# Altium PCB DRS4-PCB.PcbDoc (part 1 of 15) (continued)
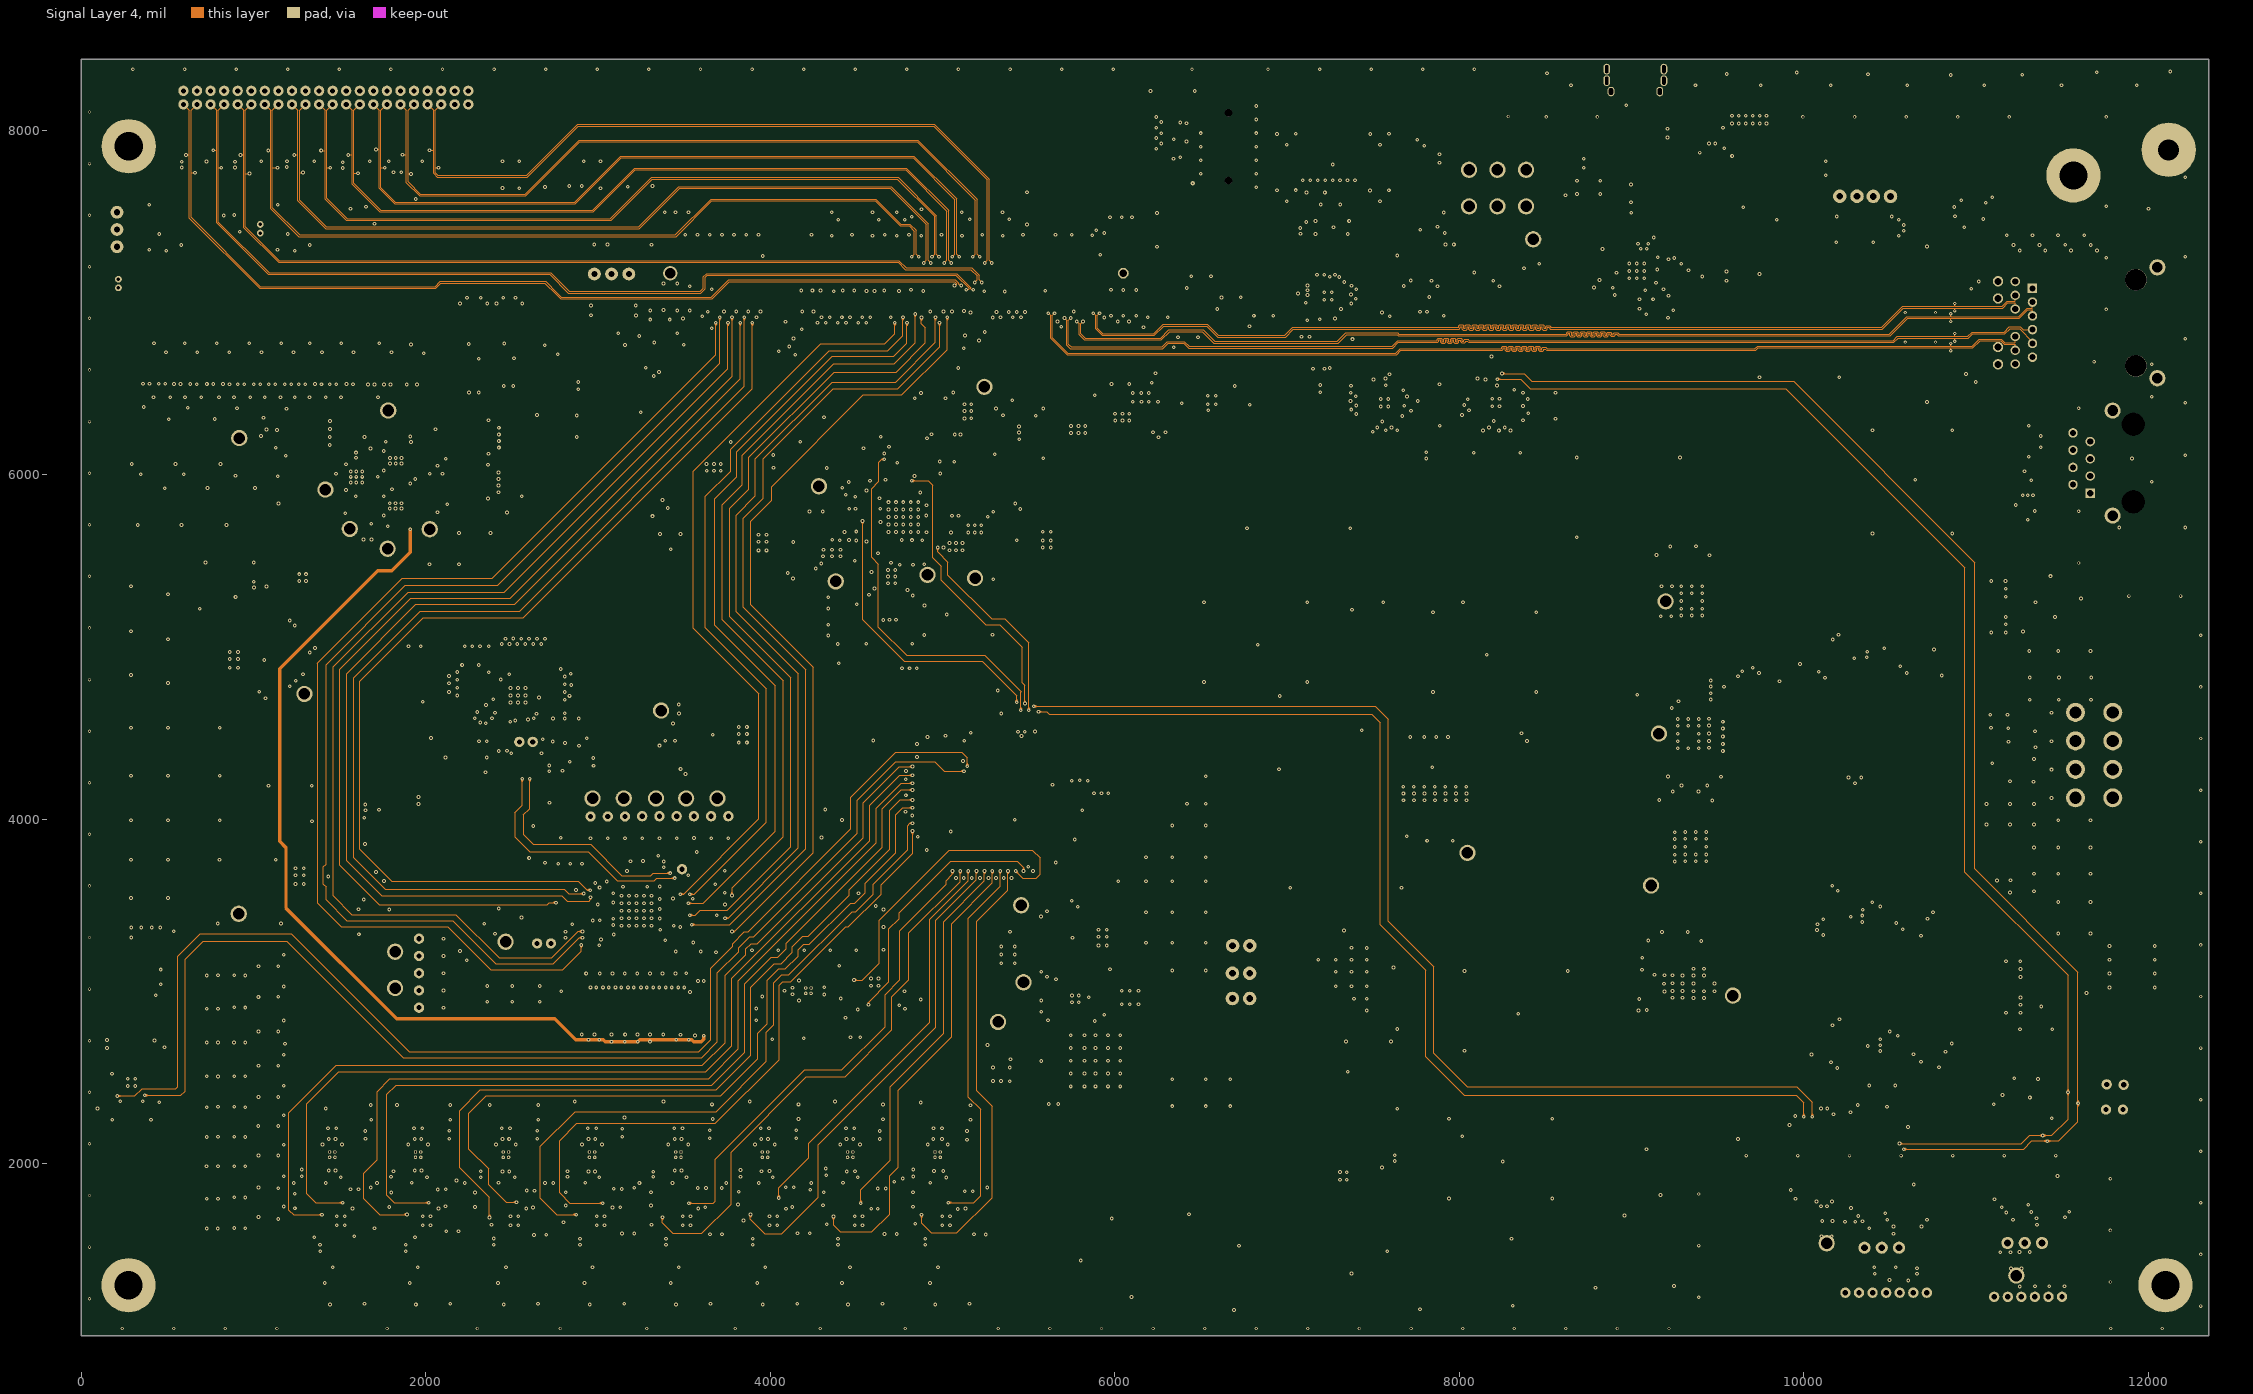
[diagram p4: Signal Layer 4]
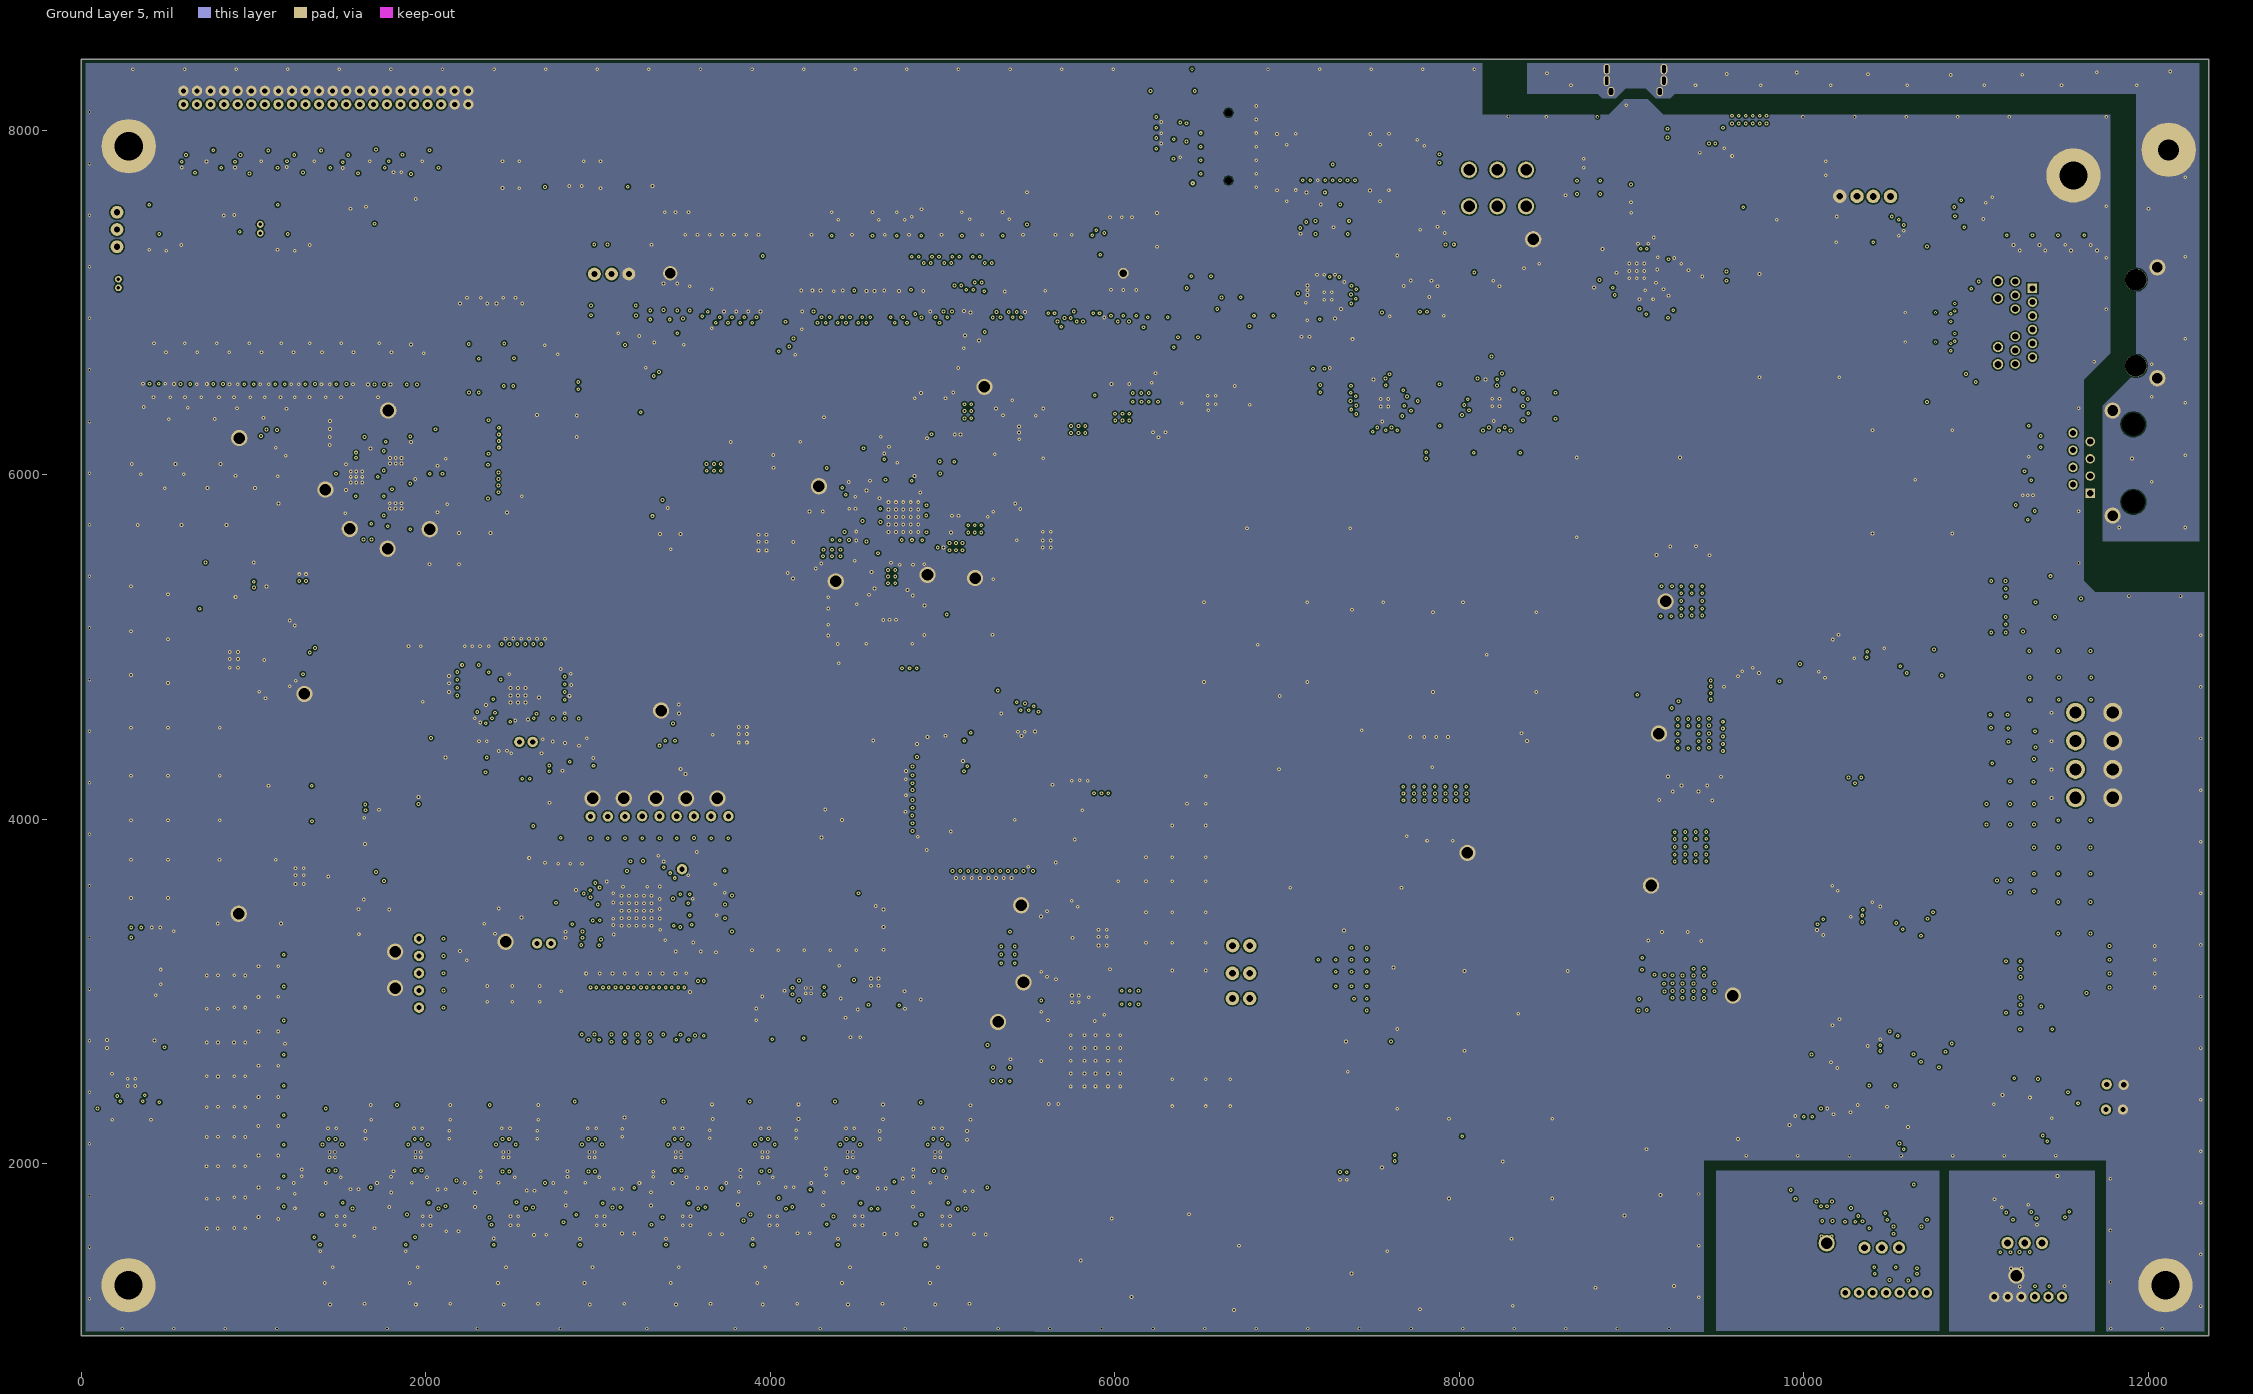
[diagram p5: Ground Layer 5]
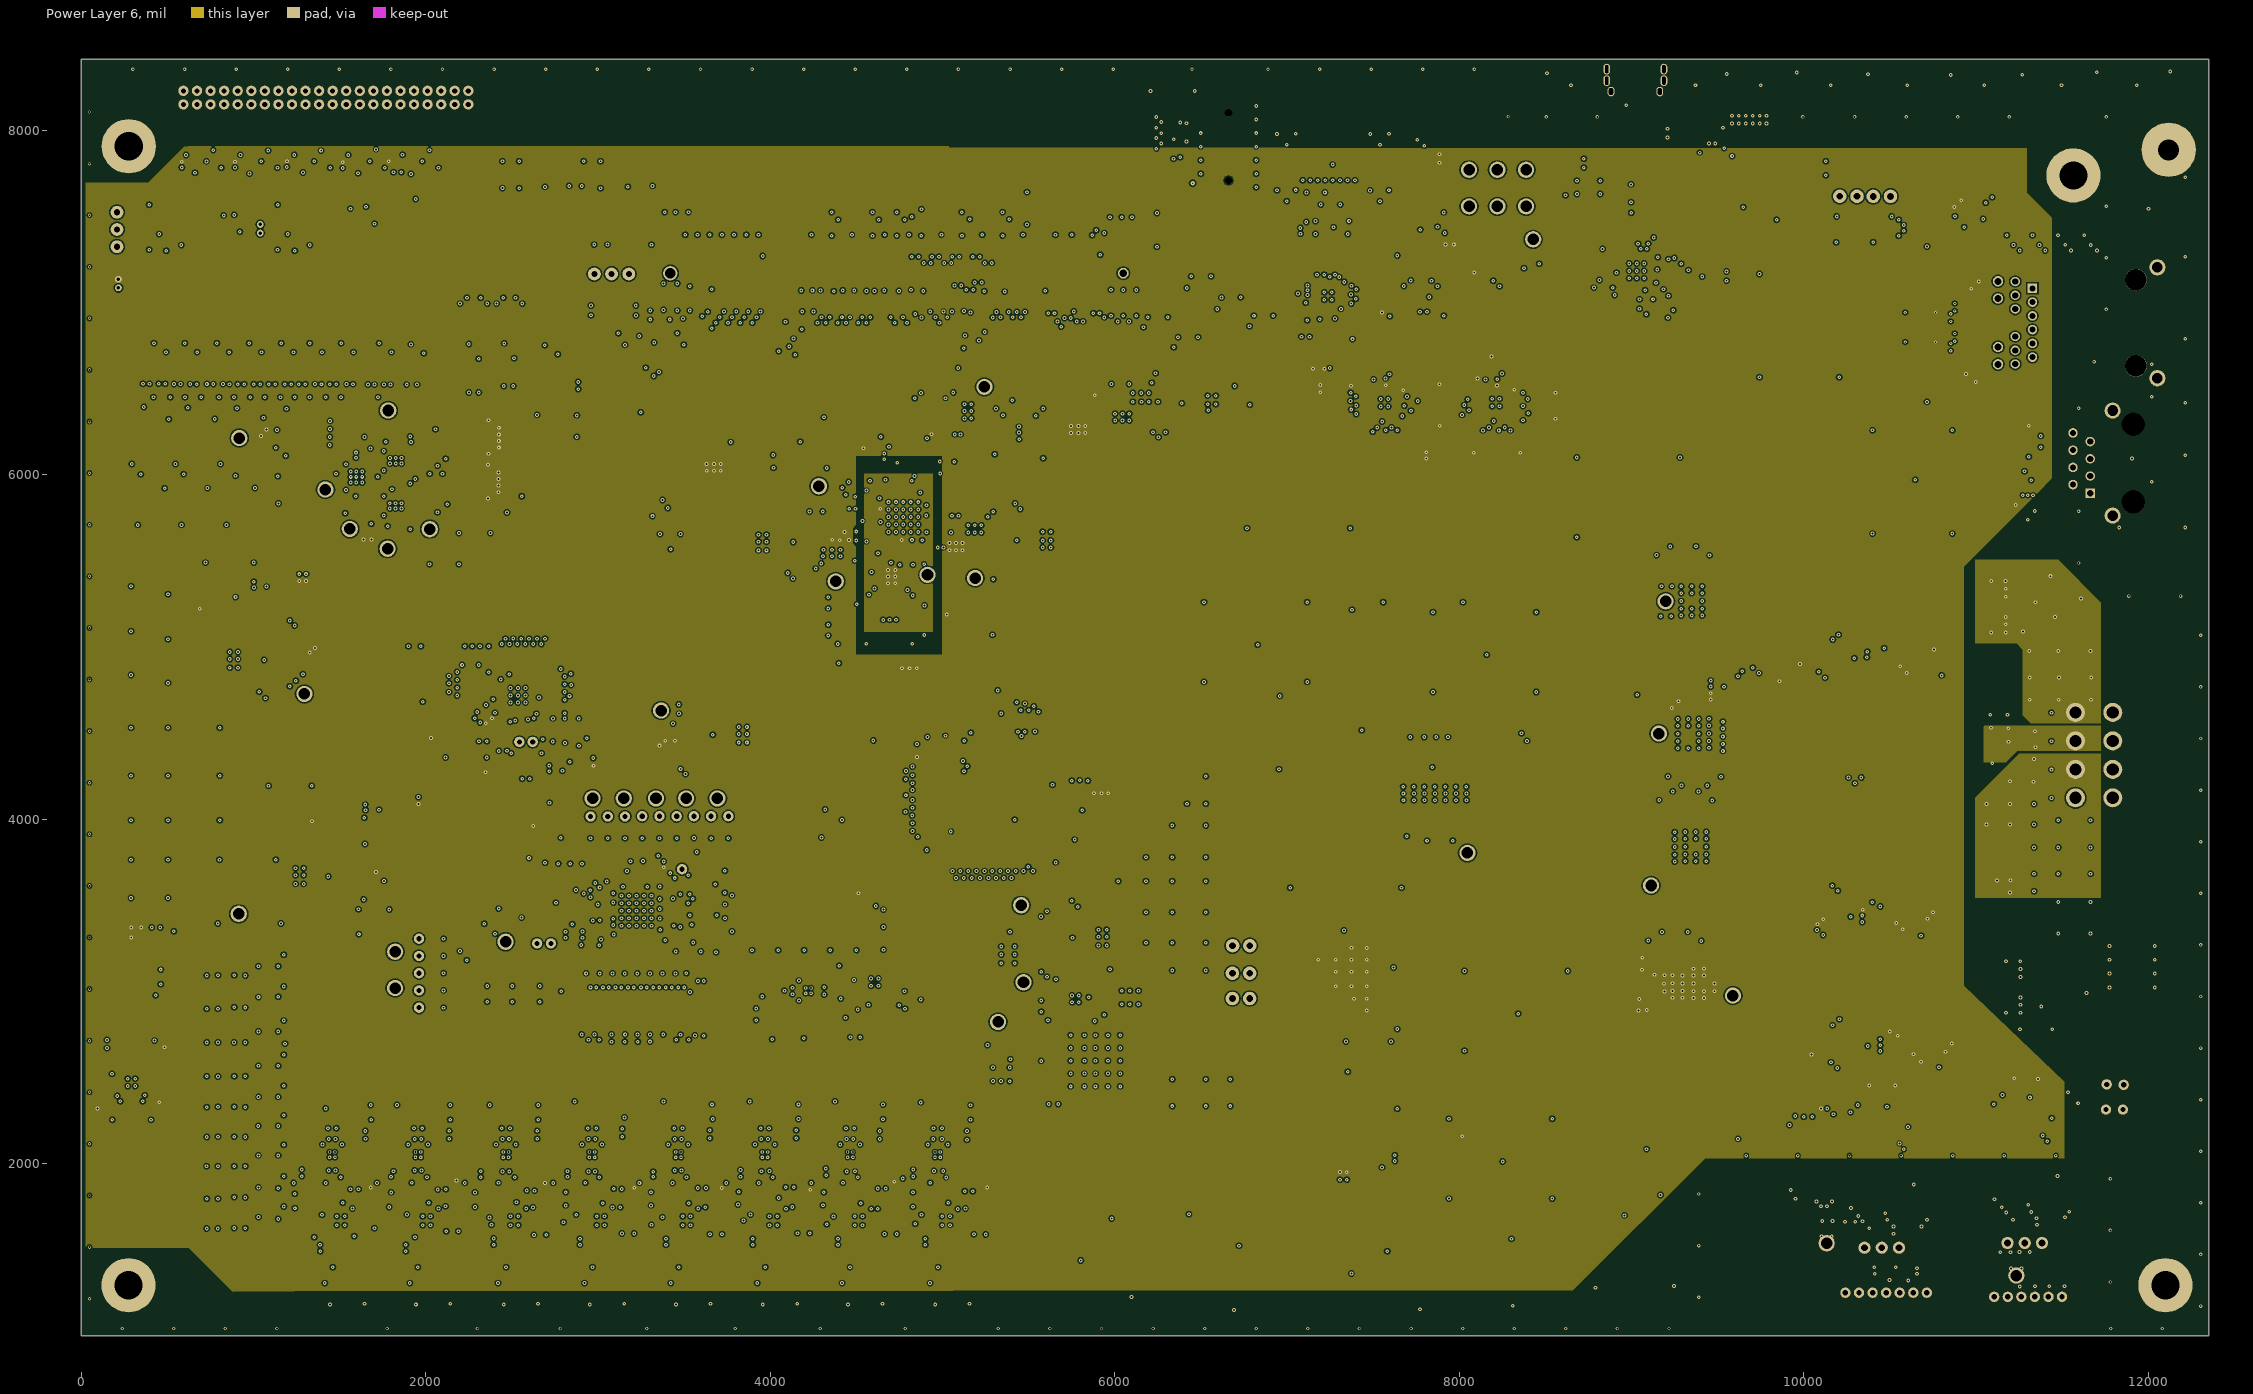
[diagram p6: Power Layer 6]
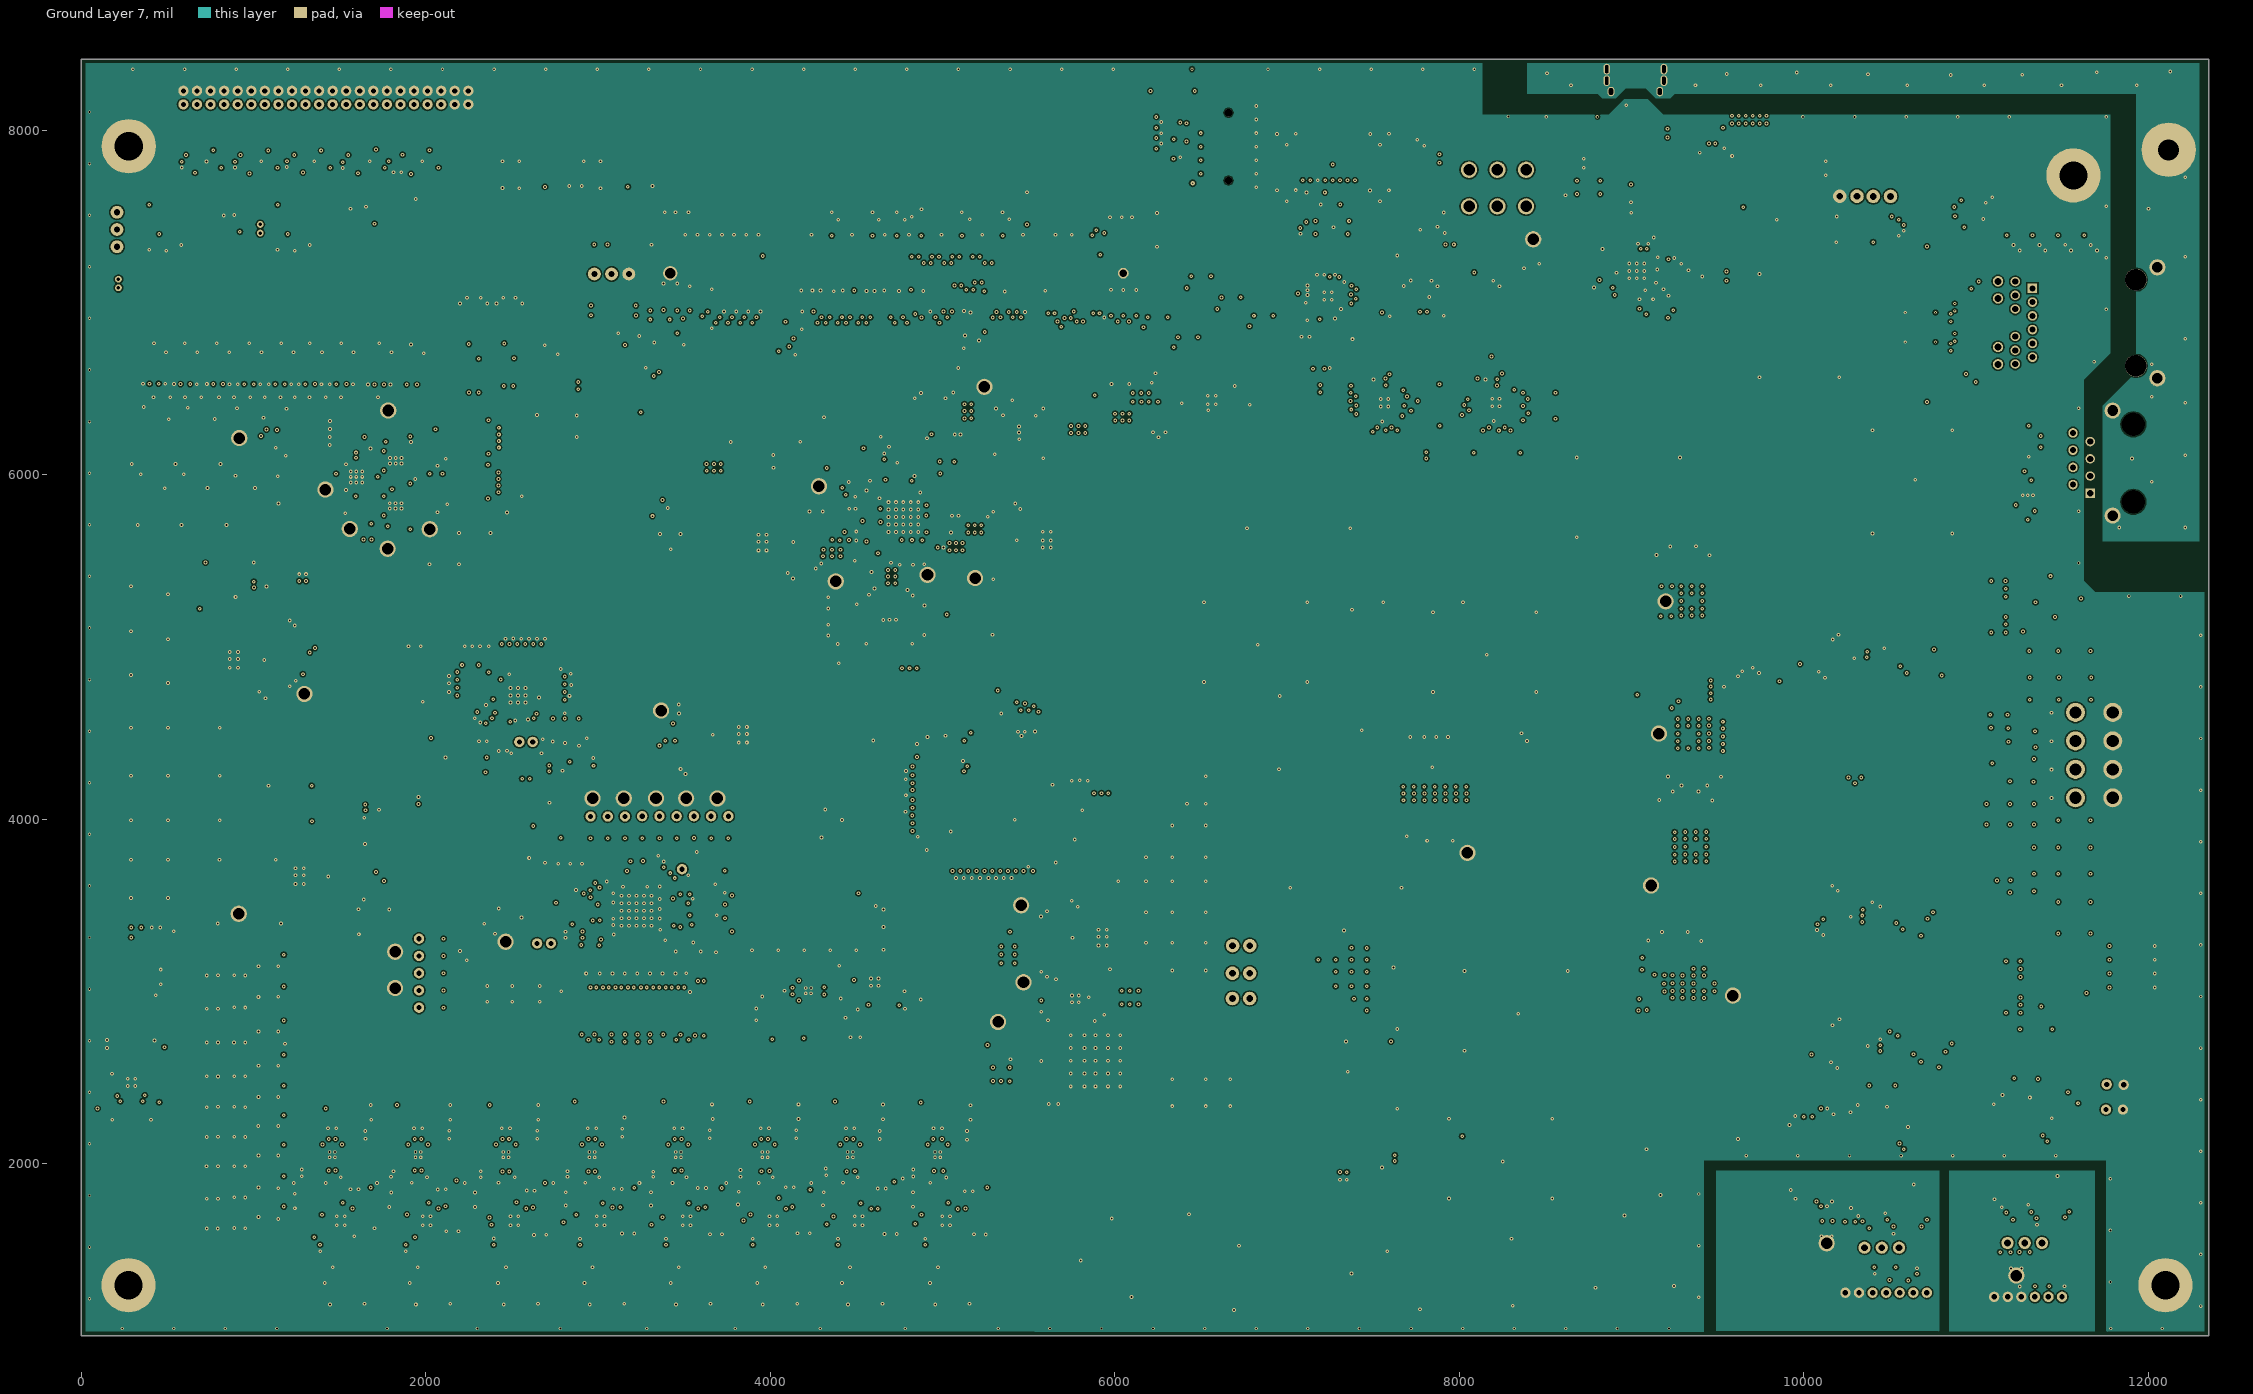
[diagram p7: Ground Layer 7]
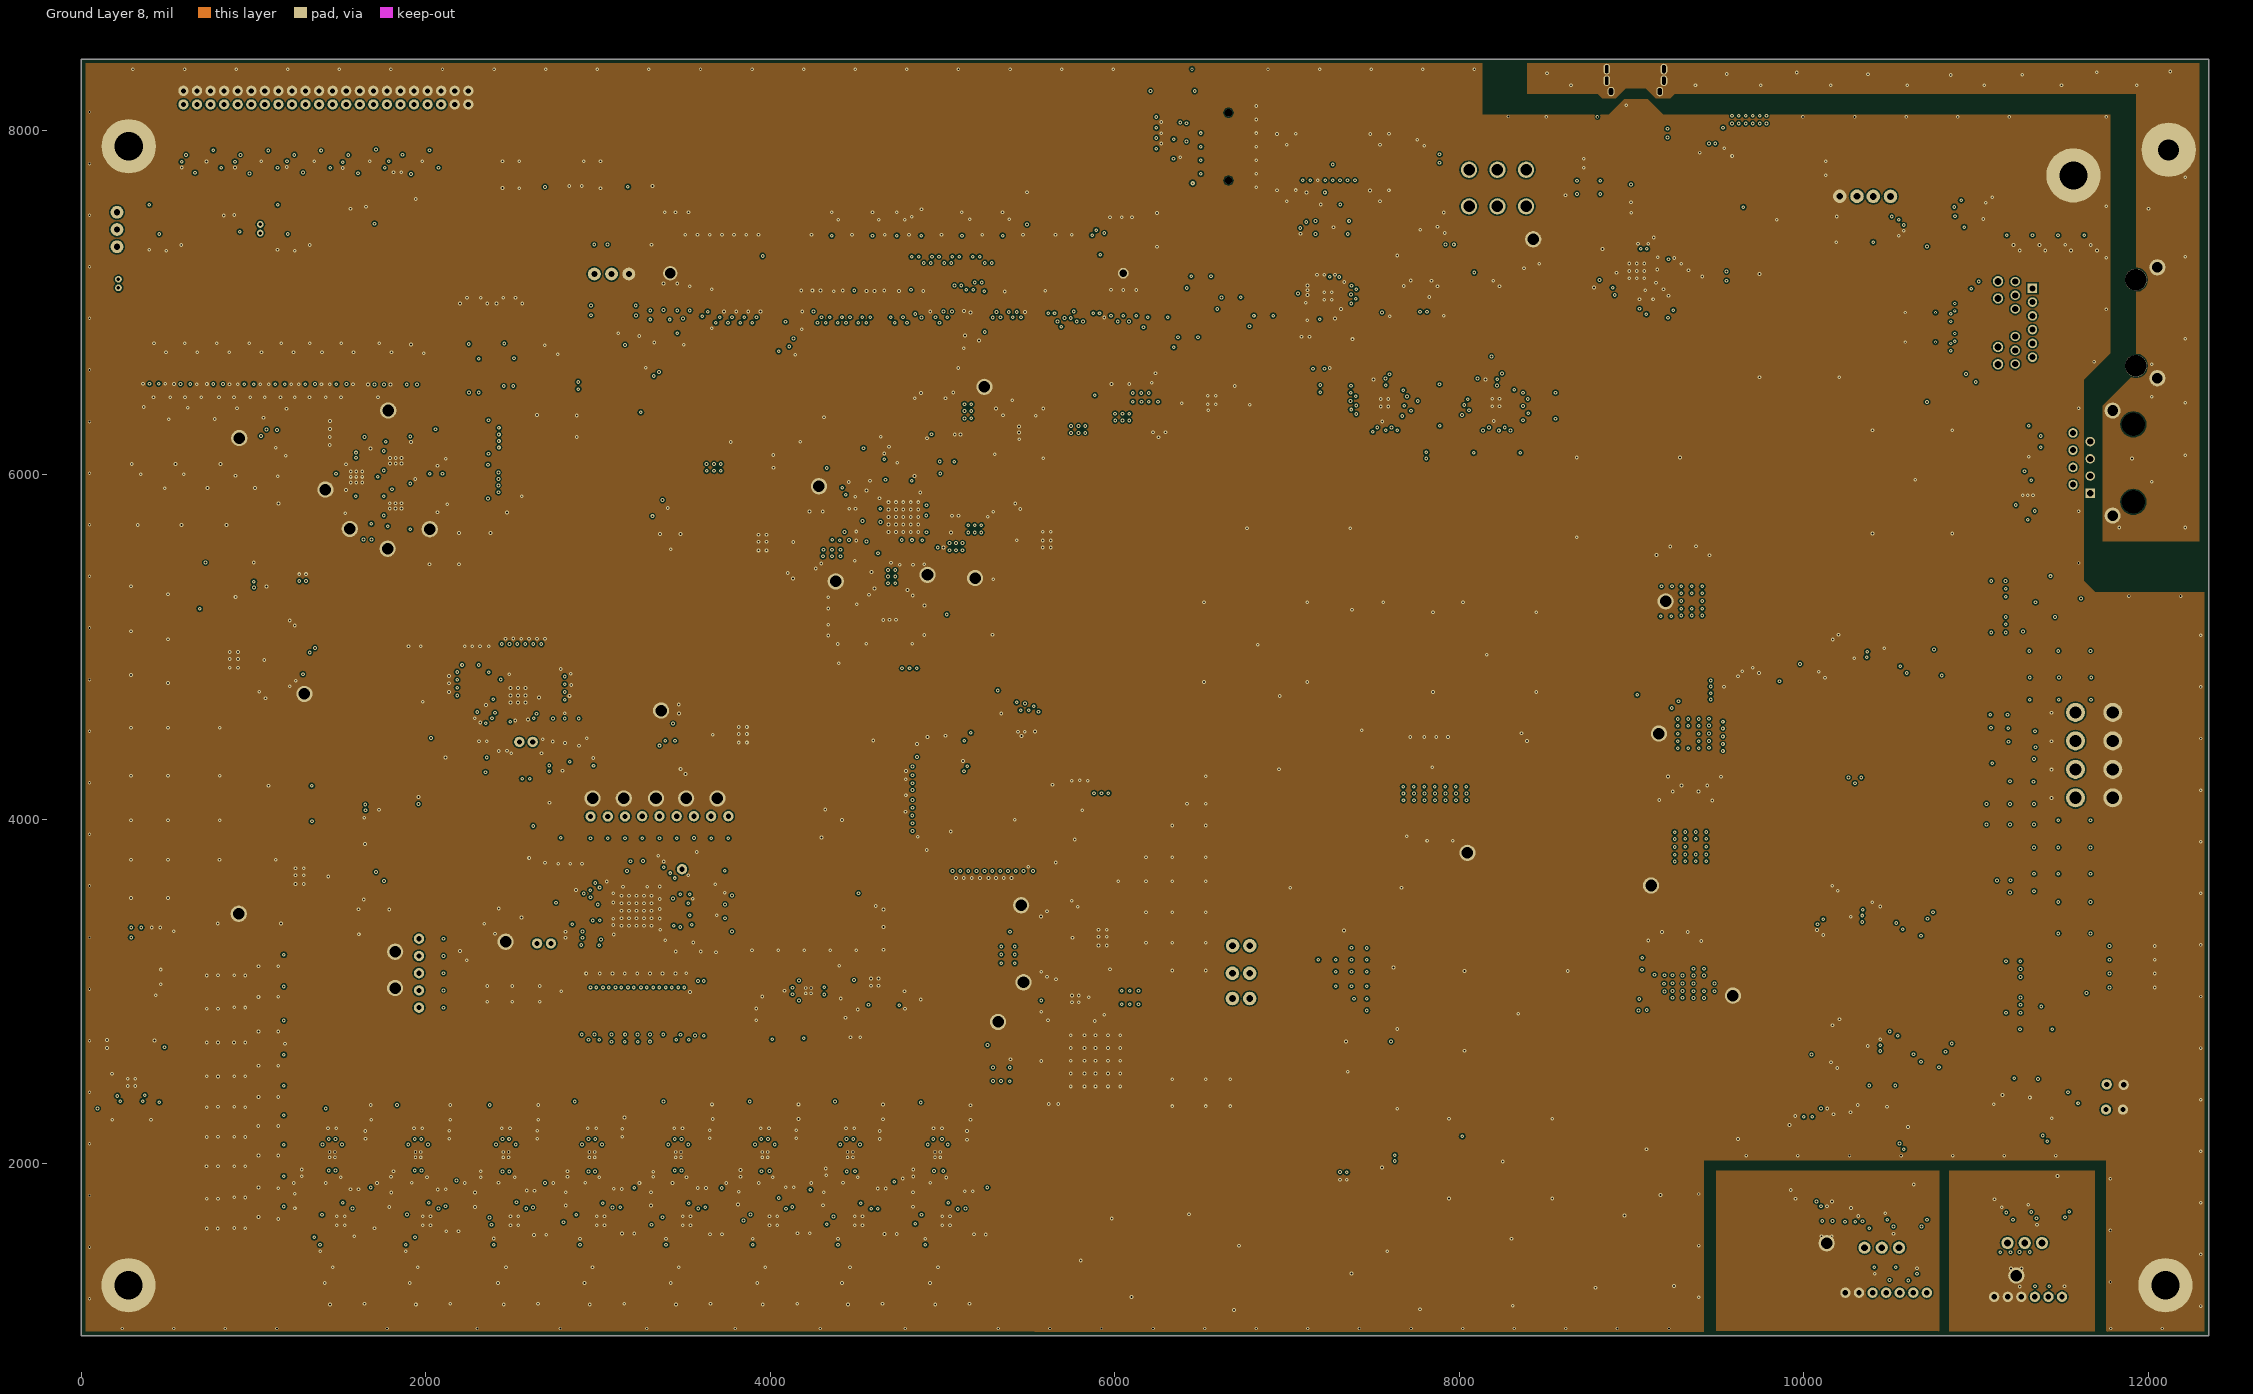
[diagram p8: Ground Layer 8]